# Altium PCB PCB1.PcbDoc
Units mm, origin at the board's own origin, x right, y up, seen from the top; angles counter-clockwise.
Board outline 100 x 40 mm, 2 copper layers (Top Layer, Bottom Layer); 22 components, 30 nets, 129 pads, 10 vias.
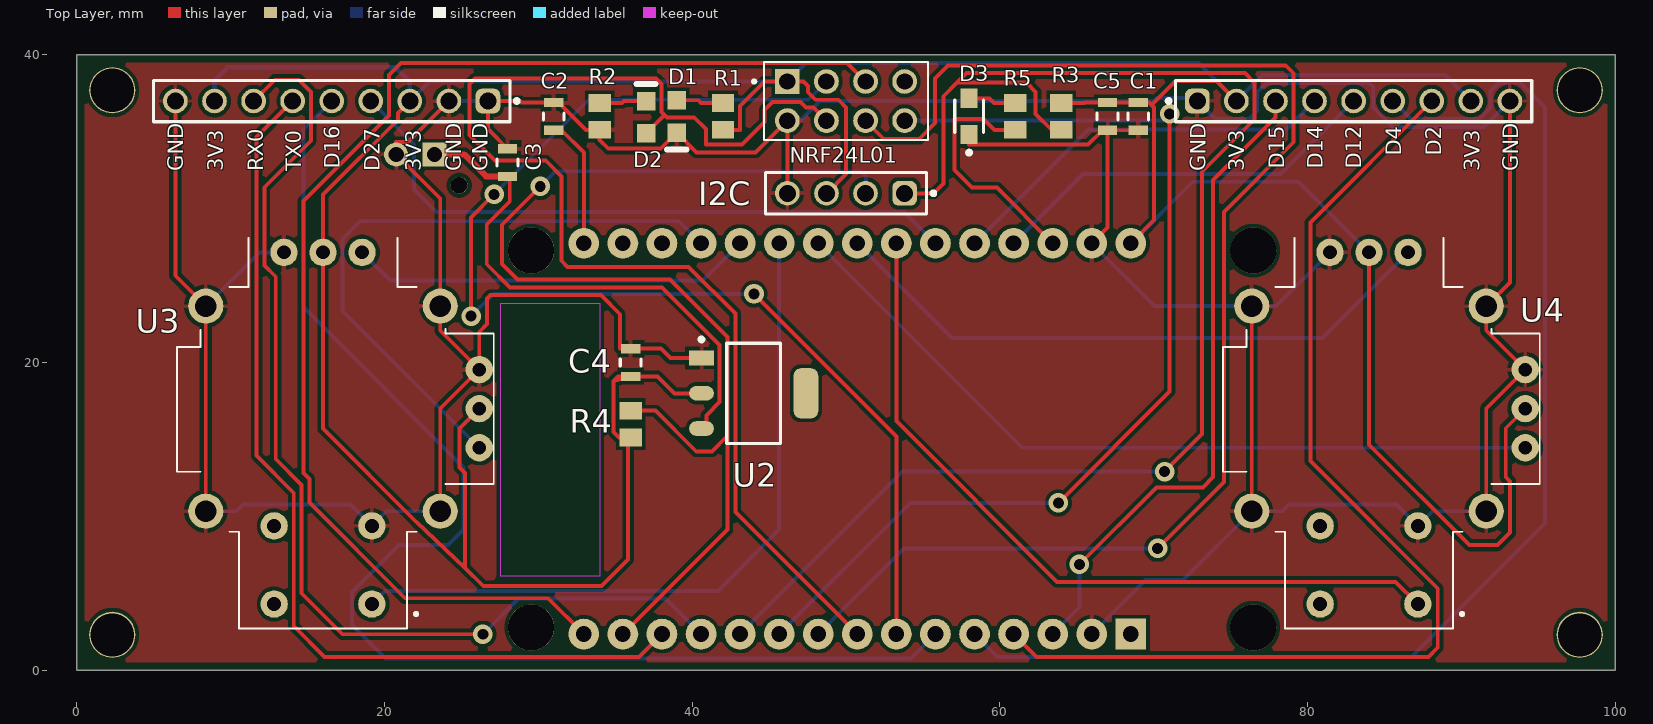
[diagram p0: Top Layer view]
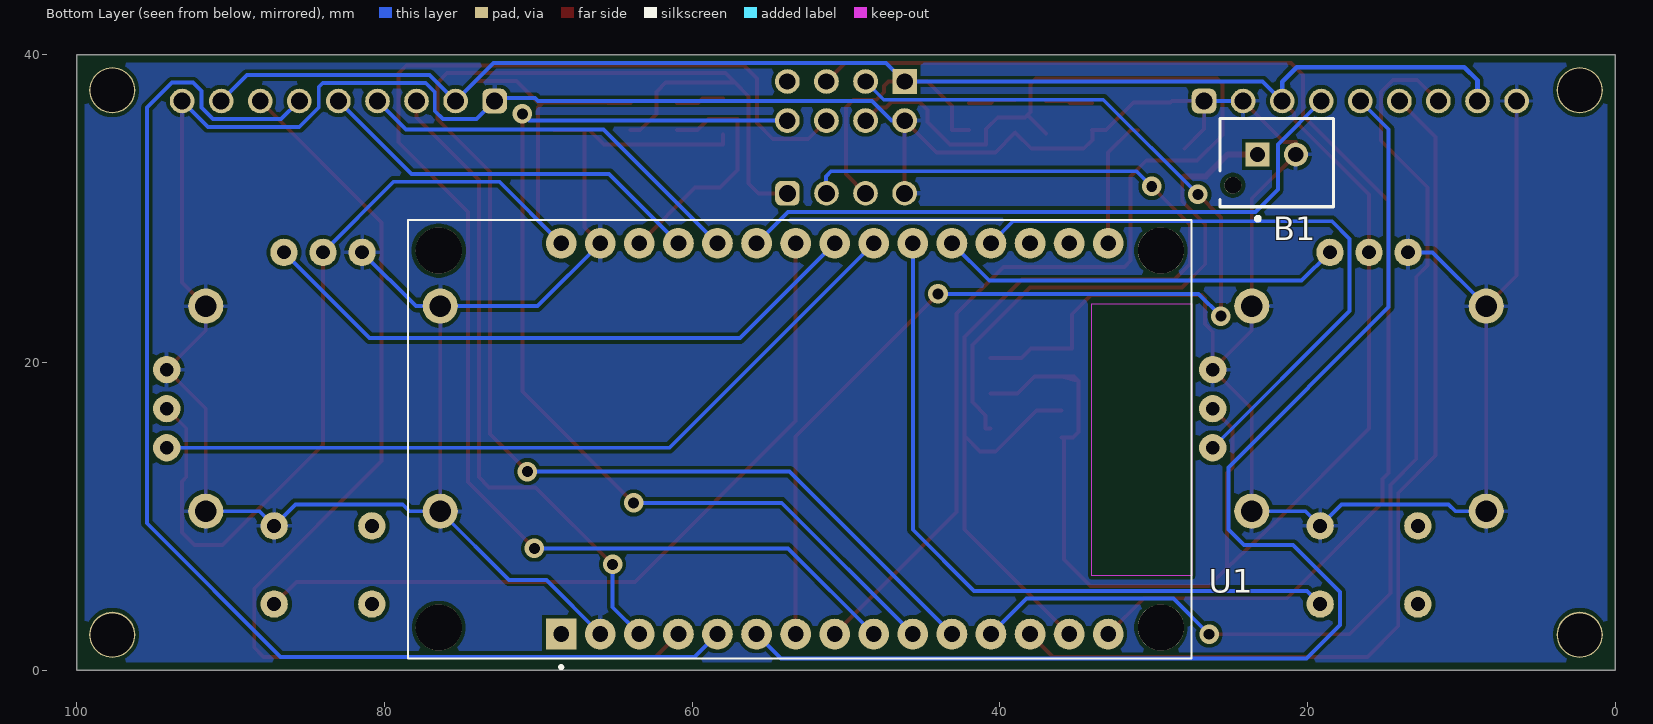
[diagram p1: Bottom Layer view, seen from below]
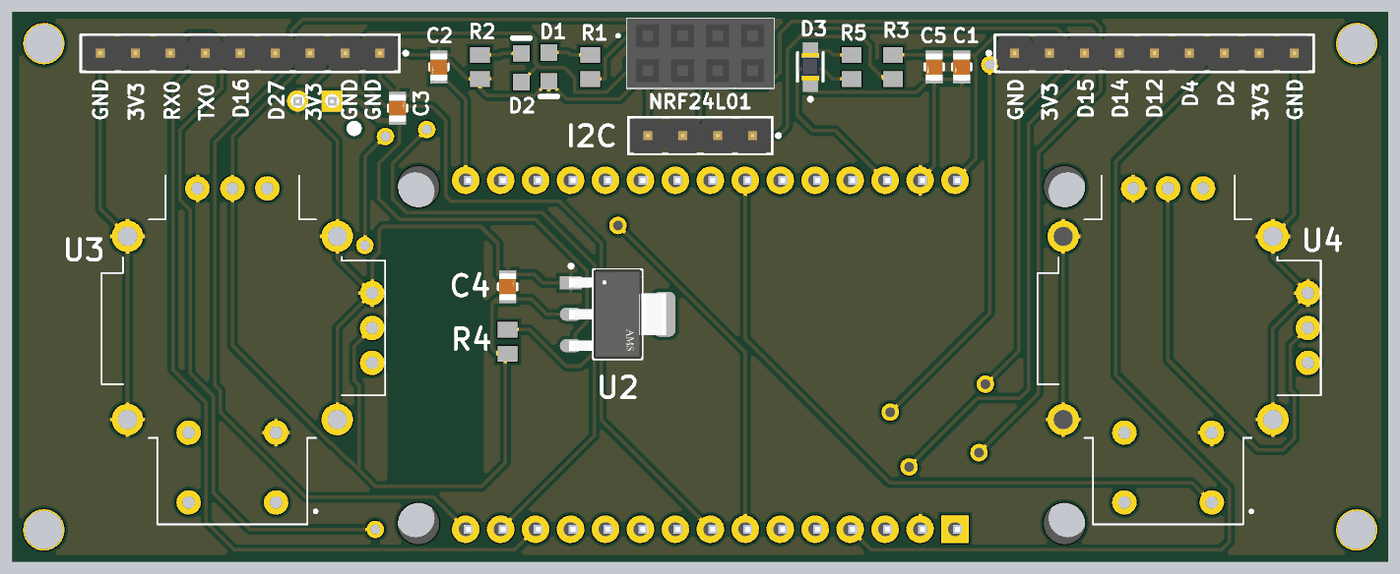
[diagram p2: 3D render of the assembled board from above, using the file's embedded part models]

## Layer stack, top to bottom
Top Solder: solder mask 0.0102, Solder Resist, Dk 3.5
Top Layer: signal copper 0.0356
Dielectric 1: dielectric 0.32, FR-4, Dk 4.8
Bottom Layer: signal copper 0.0356
Bottom Solder: solder mask 0.0102, Solder Resist, Dk 3.5

## Board outline
0,0 100,0 100,40 0,40

## Design rules (kind name [scope] priority, off if disabled: settings)
Clearance [All] p1: gap=0.254 ignorepadtopadclearanceinfootprint=FALSE
PolygonConnect [All] p1: connectstyle=Relief reliefconductorwidth=0.254 reliefentries=4 polygonreliefangle="90 Angle" airgapwidth=0.254
RoutingVias [All] p1: holewidth=0.711 width=1.27 viastyle="Through Hole" minholewidth=0.711 minwidth=1.27 maxholewidth=0.711 maxwidth=1.27
SolderMaskExpansion [All] p1: expansion=0.102 istentingtop=FALSE
SupplyNets "Schematic Supply Nets_2" [InNet('GND')] p1: voltage=0.000
SupplyNets "Schematic Supply Nets_1" [InNet('VCC')] p2: voltage=0.000
SupplyNets "Schematic Supply Nets" [InNet('+3.3')] p3: voltage=0.000
Width [All] p1: maxlimit=1 minlimit=0.254 preferedwidth=0.254 minimp=50.000000 maximp=50.000000 favimp=50.000000
30 further rules are at their usual default settings.

## Components (designator, comment, footprint, x,y, rotation, side; value= is the part's Value field where it differs from the comment)
B1 "B2B-XH" FP-B2B-XH-AM_LF_SN-MFG 22,33 r0 bottom
C1 "GRM21BR61C106KE15L" FP-GRM21B-0_1-MFG 69,36 r270 top
C2 "GRM21BR61C106KE15L" FP-GRM21B-0_1-MFG 31,36 r270 top
C3 "GRM21BR61C106KE15L" FP-GRM21B-0_1-MFG 28,33 r90 top
C4 "GRM21BR61C106KE15L" FP-GRM21B-0_1-MFG 36,20 r90 top
C5 "GRM21BR61C106KE15L" FP-GRM21B-0_1-MFG 67,36 r270 top
D1 "HSMG-C170" AVAG-HSMX-C170_V 39,36 r270 top
D2 "HSMG-C170" AVAG-HSMX-C170_V 37,35.95 r90 top
D3 "KP-2012QBC-D" FP-KP-2012QBC-D-MFG 58,36 r90 top
GND "61300911121" 61300911121 16.566,37 r180 top (schematic designator H2)
GND "61300911121" 61300911121 83,37 r0 top (schematic designator H1)
I2C "I2C" 61300411121 50,31 r180 top (schematic designator H3)
NRF24L01 "PPPC042LFBN-RC" SULLINS_PPPC042LFBN-RC 50,37 r180 top (schematic designator H4)
R1 "ERJ6ENF3300V" RESC2013X70X40NL20T20 42,36 r90 top
R2 "ERJ6ENF3300V" RESC2013X70X40NL20T20 34,36 r90 top
R3 "ERJ-6ENF1002V" RESC2013X70X40NL20T20 64,36 r90 top
R4 "ERJ-6ENF1002V" RESC2013X70X40NL20T20 36,16 r270 top
R5 "ERJ-6ENF1002V" RESC2013X70X40NL20T20 61,36 r270 top
U1 "ESP32-DEVKIT-V1" MODULE_ESP32_DEVKIT_V1 53,15.05 r90 bottom
U2 "AMS1117-3.3" FP-AMS1117-IPC_A 44,18 r0 top
U3 "COM-09032" XDCR_COM-09032 16,17 r180 top
U4 "COM-09032" XDCR_COM-09032 84,17 r180 top

## Footprints (in the part's own frame and the unit in brackets; to place one, negate y for a bottom-side part, rotate by r counter-clockwise, add the part's x,y. Pads: shape width x height; smd on the part's side, far side on the other; paste and mask are expansions set on the pad)
61300411121 [mm] "Pin Header, pitch 2.54 mm, THT, Vertical, single row, 4p"
  rrect50% 1.6x1.6 hole 1.1: 1(-3.81,0)
  round 1.6 hole 1.1: 2(-1.27,0) 3(1.27,0) 4(3.81,0)
  silkscreen extent -5.8,-1.34 5.23,1.34, body extent -5.08,-1.27 5.08,1.27, height 8.57
61300911121 [mm] "Pin Header, pitch 2.54 mm, THT, Vertical, single row, 9p"
  rrect50% 1.6x1.6 hole 1.1: 1(-10.16,0)
  round 1.6 hole 1.1: 2(-7.62,0) 3(-5.08,0) 4(-2.54,0) 5(0,0) 6(2.54,0) 7(5.08,0) 8(7.62,0) 9(10.16,0)
  silkscreen extent -12.15,-1.35 11.58,1.35, body extent -11.43,-1.27 11.43,1.27, height 8.57
AVAG-HSMX-C170_V [mm] "SMD, 2-Leads, Body 2x1.25mm, Height 0.8mm"
  rect 1.2x1.2 smd: 1(-1.05,0) 2(1.05,0)
  silkscreen extent 2.15,-0.63 2.15,0.63, body extent -1,-0.63 1,0.63, height 0.8
FP-AMS1117-IPC_A [mm]
  rect 1.604x0.952 smd paste+0 mask+0: 1(-3.395,2.29)
  rrect100% 1.604x0.952 smd paste+0 mask+0: 2(-3.395,0) 3(-3.395,-2.29)
  rrect59% 1.604x3.262 smd paste+0 mask+0: 4(3.395,0)
  silkscreen extent -3.52,-3.25 1.75,3.62, body extent -4.7,-3.75 4.7,3.75, height 0.25
FP-B2B-XH-AM_LF_SN-MFG [mm]
  rect 1.55x1.55 hole 1 paste-2539.97 mask+0: 1(1.25,-0.525)
  round 1.55 hole 1 paste-2539.97 mask+0: 2(-1.25,-0.525)
  round 1.1 hole 1.1 unplated paste-2539.97 mask+0: ""(2.85,1.475)
  silkscreen extent -3.7,-2.88 3.7,3.77, body extent -3.7,-2.88 3.7,2.88, height 7
FP-GRM21B-0_1-MFG [mm]
  rect 0.6x1.25 smd paste+0 mask+0: 1(-0.9,0) 2(0.9,0)
  silkscreen extent -0.23,-0.68 0.23,0.67, body extent -1.3,-0.77 1.3,0.77, height 0.25
FP-KP-2012QBC-D-MFG [mm]
  rect 1.25x1.1 smd paste+0 mask+0: 1(-1.175,0) 2(1.175,0)
  silkscreen extent -2.47,-0.93 1.05,0.93, body extent -1.9,-0.77 1.9,0.77, height 0.25
MODULE_ESP32_DEVKIT_V1 [mm]
  rect 2x2 / inner round 2 / far side rect 2x2 hole 1.02: 1(-12.7,15.515)
  round 2 hole 1.02: 2(-12.7,12.975) 3(-12.7,10.435) 4(-12.7,7.895) 5(-12.7,5.355) 6(-12.7,2.815) 7(-12.7,0.275) 8(-12.7,-2.265) 9(-12.7,-4.805) 10(-12.7,-7.345) 11(-12.7,-9.885) 12(-12.7,-12.425) 13(-12.7,-14.965) 14(-12.7,-17.505) 15(-12.7,-20.045) 16(12.7,-20.045) 17(12.7,-17.505) 18(12.7,-14.965) 19(12.7,-12.425) 20(12.7,-9.885) 21(12.7,-7.345) 22(12.7,-4.805) 23(12.7,-2.265) 24(12.7,0.275) 25(12.7,2.815) 26(12.7,5.355) 27(12.7,7.895) 28(12.7,10.435) 29(12.7,12.975) 30(12.7,15.515)
  round 3 hole 3 unplated: ""(-12.28,-23.475) ""(-12.28,23.475) ""(12.23,-23.475) ""(12.23,23.475)
  Keep-Out Layer region: 8.78,-25.475 -8.91,-25.475 -8.91,-18.985 8.78,-18.985
  Keep-Out Layer region: 8.78,-25.475 -8.91,-25.475 -8.91,-18.985 8.78,-18.985
  silkscreen extent -14.95,-25.47 14.23,25.48, body extent -14.1,-25.9 14.1,26.55, height 7.05
RESC2013X70X40NL20T20 [mm] "Chip Resistor, 2-Leads, Body 2.00x1.25mm, IPC Medium Density"
  rect 1.15x1.45 smd: 1(-0.875,0) 2(0.875,0)
  body extent -1.1,-0.72 1.1,0.72, height 0.7
SULLINS_PPPC042LFBN-RC [mm]
  rect 1.605x1.605 / inner round 1.605 / far side rect 1.605x1.605 hole 1.07: 1(3.81,-1.27)
  round 1.605 hole 1.07: 2(3.81,1.27) 3(1.27,-1.27) 4(1.27,1.27) 5(-1.27,-1.27) 6(-1.27,1.27) 7(-3.81,-1.27) 8(-3.81,1.27)
  silkscreen extent -5.33,-2.54 6.07,2.54, body extent -5.33,-2.54 5.33,2.54, height 8.51
XDCR_COM-09032 [mil]
  round 70 hole 35.43: B1A(-125,500) B1B(125,500) B2A(-125,300) B2B(125,300)
  round 70 hole 35: H1(-100,-400) H2(0,-400) H3(100,-400) V1(-400,100) V2(-400,0) V3(-400,-100)
  round 90 hole 55: S1(-300,262.5) S2(-300,-262.5) S3(300,-262.5) S4(300,262.5)
  silkscreen extent -437,-437 374,563

## Part data
B1: library part CMP-17439-000037-1, "CONN HEADER VERT 2POS 2.5MM", Color=Green, Contact Resistance=20mR, Housing Color=White, Max Current Rating=3A, Max Operating Temperature=85°C, Max Voltage Rating (AC)=250V, Min Operating Temperature=-25°C, Connector Type="Male Pin", Contact Material=Brass, Contact Plating=Tin, Contact Type="Male Pin", Depth=5.75mm, Fastening Type=Detent, Housing Material=Polyamide, Lead Free="Lead Free", Length=7.4mm, Mount="Through Hole", Number of Positions=2, Number of Rows=1, Orientation=Straight, Packaging=Bulk, Pitch=2.5mm, Series=XH, Termination=Solder
C1 C2 C3 C4 C5: library part CMP-2007-03453-2, "Chip Multilayer Ceramic Capacitors for General Purpose, 0805, 10uF, X5R, 15%, 10%, 16V", Capacitance=10uF, Case Code (Imperial)=0805, Case Code (Metric)=2012, Dielectric=X5R, Max Operating Temperature=85°C, Min Operating Temperature=-55°C, Package Quantity=1, Tolerance=10%, Voltage=16V, Case/Package=0805, Depth=1.25mm, Height=1.25mm, Lead Free="Lead Free", Length=2mm, Material=Ceramic, Mount="Surface Mount", Packaging="Tape and Reel", Radiation Hardening=No, REACH SVHC="No SVHC", Termination=SMD/SMT, Thickness=0.053inch, Voltage Rating=16V, Voltage Rating (DC)=16V, Width=1.25mm
D1 D2: library part CMP-2000-05062-1, "Chip LED, Green, 2.2 V, -40 to 85 degC, 2-Pin SMD, Pb-Free, Tape and Reel", Forward Current If=20mA, Forward Voltage=2.2V, Forward Voltage VF Max=2.6V, LED Colour=Green, Manufacturer=Avago, Operating Temperature Max=85degC, Operating Temperature Min=-30degC, Operating Temperature Range=-30degCto+85degC, Opto Case Style=SMD, Package Description="2-Pin Surface Mount Device, Body 2 x 1.25 mm, Height 0.8 mm", Package Reference=HSMX-C170, Storage Temperature Min=-40degC, Bulb Size=1.25mmx1.4mm, Datasheet URL=https://datasheet.ciiva.com/29280/180495-da-01-en-chip-led-hsmg-c170-gelb-gruen-29280971.pdf, Datasheet Version=Oct-08, Dominant Wavelength=572nm, Dominant Wavelength Typ=572nm, External Depth=0.8mm, External Length / Height=2mm, External Width=1.25mm, Forward Current If Max=20mA, LED Mounting=SMD, LED Type=Standard, Lens Shape=Rectangular, Light Area Height=1mm, Luminous Intensity=15mcd, Luminous Intensity Min=4mcd, Luminous Intensity Typ=15mcd, Manufacturer URL=http://www.avagotech.com/, Mounting Type=SMD, MSL=MSL2A-4weeks, No. of Pins=2, Opto Mounting Orientation=Top, Packaging=CutTape, Peak Forward Current=20mA, Peak Wavelength=570nm, PIV Max=5V, Storage Temperature Max=85degC, SVHC=NoSVHC(16-Jun-2014), Viewing Angle=170deg, Voltage Vf Typ=2.2V, Wavelength Typ=570nm
D3: library part CMP-44529-000058-1, "LED, Low Power, Blue, SMD, 0805 [2012 Metric], 20 mA, 3.3 V, 465 nm", Case/Package=2012, Color=Blue, Forward Current=20mA, Forward Voltage=3.3V, Lens Color=Clear, Dominant Wavelength=470nm, Height=1.1mm, Length=1.25mm, Lens Style=Diffused, Luminous Intensity=100mcd, Mount="Surface Mount", Number of LEDs=1, Number of Pins=2, Packaging="Tape and Reel", Radiation Hardening=No, REACH SVHC="No SVHC", RoHS Compliant=Yes, Series=KP, Viewing Angle=120°, Wavelength=465nm, Width=2mm
GND GND: library part CMP-1502-01080-3, Color=Black, Contact Resistance=20mΩ, Current Rating=3A, Operating Supply Voltage=250V, Connector Type="Male Pin", Contact Material=Copper, Contact Mating Length=5.9944mm, Contact Plating=Gold, Gender=Male, Lead Pitch=2.54mm, Mount="Through Hole", NexarPartId=32855536, Number of Contacts=9, Number of Pins=9, Number of Positions=9, Number of Rows=1, Orientation=Vertical, Packaging=Bulk, Pitch=2.54mm, REACH SVHC=Unknown, RoHS=Compliant, Termination=Solder
I2C: library part CMP-1502-01064-3, Color=Black, Contact Resistance=20mΩ, Current Rating=3A, Max Operating Temperature=105°C, Min Operating Temperature=-40°C, Operating Supply Voltage=250V, Connector Type="Male Pin", Contact Material=Copper, Contact Mating Length=5.9944mm, Contact Plating=Gold, Gender=Male, Height=8.89mm, Lead Free="Lead Free", Lead Pitch=2.54mm, Mount="Through Hole", NexarPartId=32855522, Number of Contacts=4, Number of Pins=4, Number of Positions=4, Number of Rows=1, Orientation=Vertical, Packaging=Bulk, Pitch=2.54mm, REACH SVHC=Unknown, RoHS=Compliant, Termination=Solder, Voltage Rating=250V
NRF24L01: "8 Position Total Dual Row 2.54 mm Pitch Straight Female Header", Package=None, Check_prices=https://www.snapeda.com/parts/PPPC042LFBNRC/Sullins/view-part/?ref=eda, MF="Sullins Connector Solutions", MP=PPPC042LFBNRC, SnapEDA_Link=https://www.snapeda.com/parts/PPPC042LFBNRC/Sullins/view-part/?ref=snap
R1 R2: library part CMP-2001-00532-1, Manufacturer=Panasonic, Part Number=ERJ6ENF3300V
R3 R4 R5: library part CMP-2001-04376-1, Manufacturer=Panasonic, Part Number=ERJ-6ENF1002V
U1: "Dual core, Wi-Fi: 2.4 GHz up to 150 Mbits/s,BLE (Bluetooth Low Energy) and legacy Bluetooth, 32 bits, Up to 240 MHz", Package=None, Check_prices=https://www.snapeda.com/parts/ESP32-DEVKIT-V1/Do+it/view-part/?ref=eda, MF="Do it", MP=ESP32-DEVKIT-V1, SnapEDA_Link=https://www.snapeda.com/parts/ESP32-DEVKIT-V1/Do+it/view-part/?ref=snap
U2: library part CMP-209535-000001-1, "LDO Voltage Regulators 1A, 3.3V", Dropout Voltage=1.1V, Manufacturer="Advanced Monolithic Systems", Max Junction Temp=+125°C, Max Power Dissipation=1.2W, Max Supply Voltage=15V, Nominal Supply Current=5mA, Output Current=1A, Output Voltage=3.3V, Package=AMS1117, Temperature="-40°C to +125°C", Temperature Range Low=-40°C, Automotive=No, Category=IC, ComponentLink2Description=Datasheet, ComponentLink2URL=http://www.advanced-monolithic.com/pdf/ds1117.pdf, Device Class L1="Integrated Circuits (ICs)", Device Class L2="Power Management ICs", Device Class L3="Voltage Regulators - Linear", Height=1.8mm, Ipc Land Pattern Name=SOT229P700X180-4, Lead Free=Yes, Manufacturer Part Number=AMS1117-3.3, Number Of Outputs=1, Octopart=https://octopart.com/ams1117-3.3-advanced+monolithic+systems-25899300, Output Type=Fixed, RoHS=TRUE, Standoff Height=0.64mm, Temperature Range High=+125°C
U3 U4: "Thumb Joystick", Package=None, Availability=Unavailable, MP=COM-09032, Price=None

## Free pads (board coordinates)
  round 3 hole 2.8: 6(2.3,2.3) 6(2.3,37.7) 6(97.7,2.3) 6(97.7,37.7)

## Via types
v1: diameter 1.27, hole 0.711, Top Layer to Bottom Layer, 10 vias

## Nets (pads, with @x,y where several pads share a name; then routed paths per layer and width w, separated by ;. In a path a pad name is that pad's centre, name@x,y a point inside that pad or via, vN(x,y) a via of type N, cw(c..) or ccw(c..) an arc to the next point about the centre after c; other vN are vias at no path point)
+3.3: C1.1 C4.1 C5.1 GND.2@75.38,37 GND.3@21.646,37 GND.8 I2C.3 NRF24L01.1 R1.1 R3.2 R4.2 U1.30 U2.2 U3.H2 U3.V2 U4.H2 U4.V2 | length 260
  Top Layer w0.254: GND.3@21.646,37 20.868,36.222 20.868,35.786 16,30.918 U3.H2 16,15.699 22.047,9.652 25.222,6.655 ; U3.V2 24.867,15.707 24.867,13.183 25.222,12.827 25.222,6.655 ; R4.2 R4.2@35.839,15.125 ; U2.2 38.844,18 37.744,19.1 C4.1 ; R1.1 43.106,35.125 43.106,36.672 44.704,38.27 NRF24L01.1 47.244,38.27 47.523,37.991 47.523,37.569 48.006,37.086 49.502,37.086 50.013,36.576 50.013,32.257 ; I2C.3 48.755,31 50.013,32.257 ; 49.987,32.257 50.013,32.257 ; R3.2 65.481,36.875 65.506,36.9 C5.1 C1.1 69.704,36.9 69.866,36.738 ; U1.30 70.028,29.263 70.028,36.576 69.866,36.738 ; GND.2@75.38,37 74.077,38.303 71.431,38.303 69.866,36.738 ; U4.H2 84,14.654 90.526,8.128 92.354,8.128 93.167,8.941 93.167,12.268 92.888,12.548 92.888,15.728 U4.V2 ; 25.222,6.655 26.416,5.461 34.112,5.461 35.839,7.188 R4.2@35.839,15.125 ; 34.874,18.796 C4.1 ; 34.874,18.796 35.178,19.1 C4.1 ; 34.874,18.796 34.874,15.494 35.243,15.125 R4.2@35.839,15.125
  Bottom Layer w0.254: GND.3@21.646,37 22.916,38.27 NRF24L01.1 47.392,39.472 72.908,39.472 75.38,37 77.069,38.689 88.931,38.689 GND.8@90.62,37 ; U1.30 72.515,31.75 79.41,31.75 U4.H2
  Bottom Layer w0.3: GND.8@8.946,37 8.946,38.346 9.8,39.2 20.7,39.2 21.646,38.254 GND.3@21.646,37
GND: B1.2 C1.2 C2.1 C3.2 C4.2 C5.2 D1.2 D3.1 GND.1 GND.2@24.186,37 GND.9 I2C.4 NRF24L01.2 R2.1 U1.2 U1.29 U2.1 U3.B2A U3.H3 U3.S1 U3.S2 U3.S3 U3.S4 U3.V3 U4.B2A U4.H3 U4.S1 U4.S2 U4.S3 U4.S4 U4.V3 | length 301.8
  Top Layer w0.254: GND.9@6.406,37 6.406,25.642 U3.S3 U3.S4 ; U3.S1 23.62,17 U3.V3 ; GND.2@24.186,37 21.523,34.337 20.75,34.337 B1.2 23.62,30.655 U3.S2 23.62,22.08 U3.V3 ; C3.2 26.726,35.174 26.726,37 28.804,37 28.904,36.9 C2.1 31.318,36.9 33.093,35.125 R2.1@33.985,35.125 ; R2.1 R2.1@33.985,35.125 ; U2.1 38.583,20.29 37.973,20.9 C4.2 35.306,20.9 35.306,23.139 34.062,24.383 26.898,24.383 26.668,24.153 26.668,22.497 26.16,21.989 U3.V3 ; I2C.4 NRF24L01.2 44.121,33.661 40.289,33.661 D1.2 37.959,33.909 34.544,33.909 33.985,34.468 R2.1@33.985,35.125 ; D3.1 58,34.163 65.738,34.163 66.675,35.1 C5.2 ; U1.29 67,28.775 C5.2 ; C1.2 C5.2 ; U4.S4 U4.S3 ; U4.S1 91.62,17 U4.V3 91.62,22.08 U4.S2 93.16,25.208 GND.9@93.16,37
  Bottom Layer w0.254: U3.S4 10.383,10.333 10.82,10.77 17.785,10.77 U3.B2A 20.128,10.333 U3.S1 ; U3.S3 11.873,27.16 U3.H3 ; GND.2@24.186,37 GND.1@26.726,37 ; NRF24L01.2 47.033,35.73 48.303,37 70.028,37 70.216,37.188 72.652,37.188 72.84,37 74.021,35.819 76.2,35.819 76.733,36.352 76.733,37.592 77.322,38.181 84.018,38.181 84.277,37.922 84.277,36.576 85.542,35.311 91.471,35.311 GND.9@93.16,37 ; U1.2 69.476,5.85 71.898,5.85 U4.S4 78.379,10.333 78.816,10.77 85.785,10.77 U4.B2A 88.127,10.333 U4.S1 ; U1.29 70.058,23.668 U4.S3 77.967,23.668 U4.H3
NetC2_2: C2.2 U1.16 | length 8.5
  Top Layer w0.254: C2.2 31.496,35.1 32.955,33.641 U1.16
NetD1_1: D1.1 R1.2 | length 3.1
  Top Layer w0.254: D1.1 40.411,37.05 40.586,36.875 R1.2
NetD2_1: D2.1 NRF24L01.4 U1.8 | length 83.3
  Top Layer w0.254: D2.1 38.197,36.098 ; NRF24L01.4 47.882,36.578 47.392,36.578 47.038,36.932 45.212,36.932 44.704,36.424 44.704,35.634 43.239,34.169 40.894,34.169 40.894,35.179 40.132,35.941 38.354,35.941 38.197,36.098 ; U1.8 42.804,10.281 42.804,23.185 39.771,26.218 31.897,26.218 31.496,26.619 31.496,32.106 30.48,33.122 27.178,33.122 25.527,34.773 25.527,38.1 25.883,38.456 37.643,38.456 37.998,38.1 37.998,36.297 38.197,36.098
NetD2_2: D2.2 R2.2 | length 3.1
  Top Layer w0.254: R2.2 35.433,36.875 35.558,37 D2.2
NetD3_2: D3.2 R5.1 | length 3.1
  Top Layer w0.254: D3.2 59.334,37.175 59.634,36.875 R5.1
NetH1_3: GND.3@77.92,37 U1.3 | length 42.4
  Top Layer w0.254: v1(65.176,6.883) 70.18,11.887 73.203,11.887 73.863,12.548 73.863,31.877 77.92,35.934 GND.3@77.92,37
  Bottom Layer w0.254: U1.3 65.176,4.091 v1(65.176,6.883)
NetH1_4: GND.4@80.46,37 U1.26 | length 25.9
  Bottom Layer w0.254: U1.26 65.759,35.154 78.614,35.154 GND.4@80.46,37
NetH1_5: GND.5@83,37 U1.27 | length 25.9
  Bottom Layer w0.254: U1.27 65.403,32.258 78.258,32.258 GND.5@83,37
NetH1_6: GND.6@85.54,37 U1.5 | length 81
  Bottom Layer w0.254: U1.5 59.841,0.864 86.766,0.864 95.453,9.55 95.453,36.576 93.828,38.202 92.456,38.202 91.897,37.643 91.897,36.576 91.14,35.819 86.721,35.819 GND.6@85.54,37
NetH1_7: GND.7@88.08,37 U1.4 | length 70.7
  Top Layer w0.254: U1.4 62.381,0.864 87.859,0.864 88.468,1.473 88.468,5.309 80.188,13.589 80.188,29.108 GND.7@88.08,37
NetH2_4: GND.4@19.106,37 U1.25 | length 42.3
  Bottom Layer w0.254: GND.4@19.106,37 21.92,34.186 21.92,31.242 23.368,29.794 53.771,29.794 U1.25
NetH2_5: GND.5@16.566,37 U1.6 | length 83.5
  Bottom Layer w0.254: GND.5@16.566,37 14.73,35.164 14.73,23.599 25.146,13.183 25.146,9.144 24.13,8.128 20.93,8.128 17.882,5.08 17.882,2.946 20.066,0.762 54.227,0.762 U1.6
NetH2_6: GND.6@14.026,37 U1.13 | length 61.5
  Top Layer w0.254: GND.6@14.026,37 11.682,34.656 11.682,13.947 14.097,11.532 14.097,2.87 16.104,0.864 36.549,0.864 U1.13
NetH2_7: GND.7@11.486,37 U1.12 | length 68.5
  Top Layer w0.254: GND.7@11.486,37 12.865,38.379 14.427,38.379 15.215,37.592 15.215,34.417 12.19,31.392 12.19,26.316 12.929,25.578 12.929,13.716 14.605,12.04 14.605,5.004 17.272,2.337 v1(26.391,2.337)
  Bottom Layer w0.254: v1(26.391,2.337) 28.705,4.651 38.274,4.651 U1.12
NetH3_3: I2C.2 R4.1 U1.14 | length 75.5
  Top Layer w0.254: v1(30.124,31.445) 27.635,28.956 27.635,26.416 28.652,25.399 38.552,25.399 42.296,21.655 42.296,15.24 ; U1.14 42.296,9.151 42.296,15.24 ; R4.1 37.613,16.875 40.264,14.224 41.28,14.224 42.296,15.24
  Bottom Layer w0.254: v1(30.124,31.445) 31.115,32.436 50.964,32.436 51.3,32.1 51.3,31.03 I2C.2
NetH3_4: I2C.1 R3.1 U1.11 | length 98.1
  Top Layer w0.254: I2C.1@53.81,30.99 55.69,30.99 56.337,31.637 56.337,37.313 57.226,38.202 ; R3.1 63.373,35.125 62.332,36.166 62.332,37.592 61.722,38.202 57.226,38.202 ; v1(70.718,12.908) 73.152,15.342 73.152,32.405 76.561,35.814 76.561,38.181 75.931,38.811 57.836,38.811 57.226,38.202
  Bottom Layer w0.254: U1.11 53.673,12.908 v1(70.718,12.908)
NetH4_3: NRF24L01.3 U1.7 | length 78.1
  Top Layer w0.254: v1(25.629,23.012) 25.629,29.439 v1(27.127,30.937) ; v1(44.018,24.46) 53.275,15.203 U1.7
  Bottom Layer w0.254: v1(25.629,23.012) 27.076,24.46 v1(44.018,24.46) ; v1(27.127,30.937) 33.276,37.086 47.546,37.086 NRF24L01.3
NetH4_5: NRF24L01.5 U1.15 | length 83.4
  Top Layer w0.254: U1.15 30.631,4.674 21.336,4.674 15.113,10.897 15.113,12.426 14.73,12.809 14.73,30.503 20.295,36.068 20.295,38.684 21.082,39.472 50.068,39.472 NRF24L01.5
NetH4_6: NRF24L01.6 U1.9 | length 91.1
  Top Layer w0.254: NRF24L01.6 52.456,34.544 54.762,34.544 55.778,35.56 55.778,38.456 56.642,39.319 78.585,39.319 79.101,38.804 79.101,34.321 74.574,29.794 74.574,12.243 v1(70.253,7.922)
  Bottom Layer w0.254: U1.9 53.767,7.922 v1(70.253,7.922)
NetH4_8: NRF24L01.8 U1.10 | length 67.4
  Top Layer w0.254: v1(63.805,10.871) 71.044,18.11 v1(71.044,36.17)
  Bottom Layer w0.254: U1.10 54.176,10.871 v1(63.805,10.871) ; NRF24L01.8 70.604,35.73 v1(71.044,36.17)
NetR5_2: R5.2 U1.28 | length 15.9
  Top Layer w0.254: R5.2 59.645,35.125 58.931,35.839 57.048,35.839 57.048,32.512 58.191,31.369 59.816,31.369 U1.28
NetU1_19: U1.19 U3.V1 | length 41.6
  Bottom Layer w0.254: U3.V1 17.27,23.35 17.27,28.04 18.415,29.185 39.14,29.185 U1.19
NetU1_20: U1.20 U3.H1 | length 26.3
  Bottom Layer w0.254: U3.H1 20.376,25.324 40.689,25.324 U1.20
NetU1_21: U1.21 U3.B1A | length 47.1
  Bottom Layer w0.254: U3.B1A 20.034,5.159 41.684,5.159 45.655,9.13 U1.21
NetU1_22: U1.22 U4.V1 | length 51.5
  Bottom Layer w0.254: U1.22 61.485,14.46 U4.V1
NetU1_23: U1.23 U4.H1 | length 40.7
  Bottom Layer w0.254: U1.23 56.895,21.59 80.97,21.59 U4.H1
NetU1_24: U1.24 U4.B1A | length 50.4
  Top Layer w0.254: U1.24 53.275,16.194 63.729,5.74 85.735,5.74 U4.B1A
VCC: B1.1 C3.1 U2.3 | length 35.2
  Top Layer w0.254: C3.1 28.143,32.1 28.143,30.48 26.645,28.981 26.645,26.391 28.144,24.891 38.044,24.891 41.788,21.147 41.788,17.43 40.919,16.561 40.919,15.71 U2.3
  Top Layer w0.4: B1.1 25.174,33.525 26.599,32.1 C3.1
pads on no net: B1. NRF24L01.7 U1. U1.1 U1.17 U1.18 U2.4 U3.B1B U3.B2B U4.B1B U4.B2B

## Polygon pours and split planes (outlines as drawn)
GND on Top Layer "GND_L01_P000" (solid, pour order 0): 0.5,39.5 0.5,0.5 99.5,0.5 99.5,39.5
GND on Bottom Layer "GND_L02_P001" (solid, pour order 1): 0.5,39.5 0.5,0.5 99.5,0.5 99.5,39.5

## Silkscreen, mask and mechanical layers (free items; w line width, h text height)
Top Overlay:
  text "D4" at 86.1,33.434 h1 r90
  text "D2" at 88.7,33.434 h1 r90
  text "D16" at 17.1,32.601 h1 r90
  text "D15" at 78.5,32.601 h1 r90
  text "D14" at 81,32.601 h1 r90
  text "D12" at 83.5,32.601 h1 r90
  text "3V3" at 9.5,32.434 h1 r90
  text "RX0" at 12.1,32.434 h1 r90
  text "TX0" at 14.6,32.434 h1 r90
  text "D27" at 19.7,32.434 h1 r90
  text "3V3" at 22.4,32.434 h1 r90
  text "GND" at 25,32.434 h1 r90
  text "GND" at 26.7,32.434 h1 r90
  text "3V3" at 75.9,32.434 h1 r90
  text "3V3" at 91.2,32.434 h1 r90
  text "GND" at 93.7,32.434 h1 r90